# Altium PCB Test.PcbDoc (part 1 of 7) (continued)
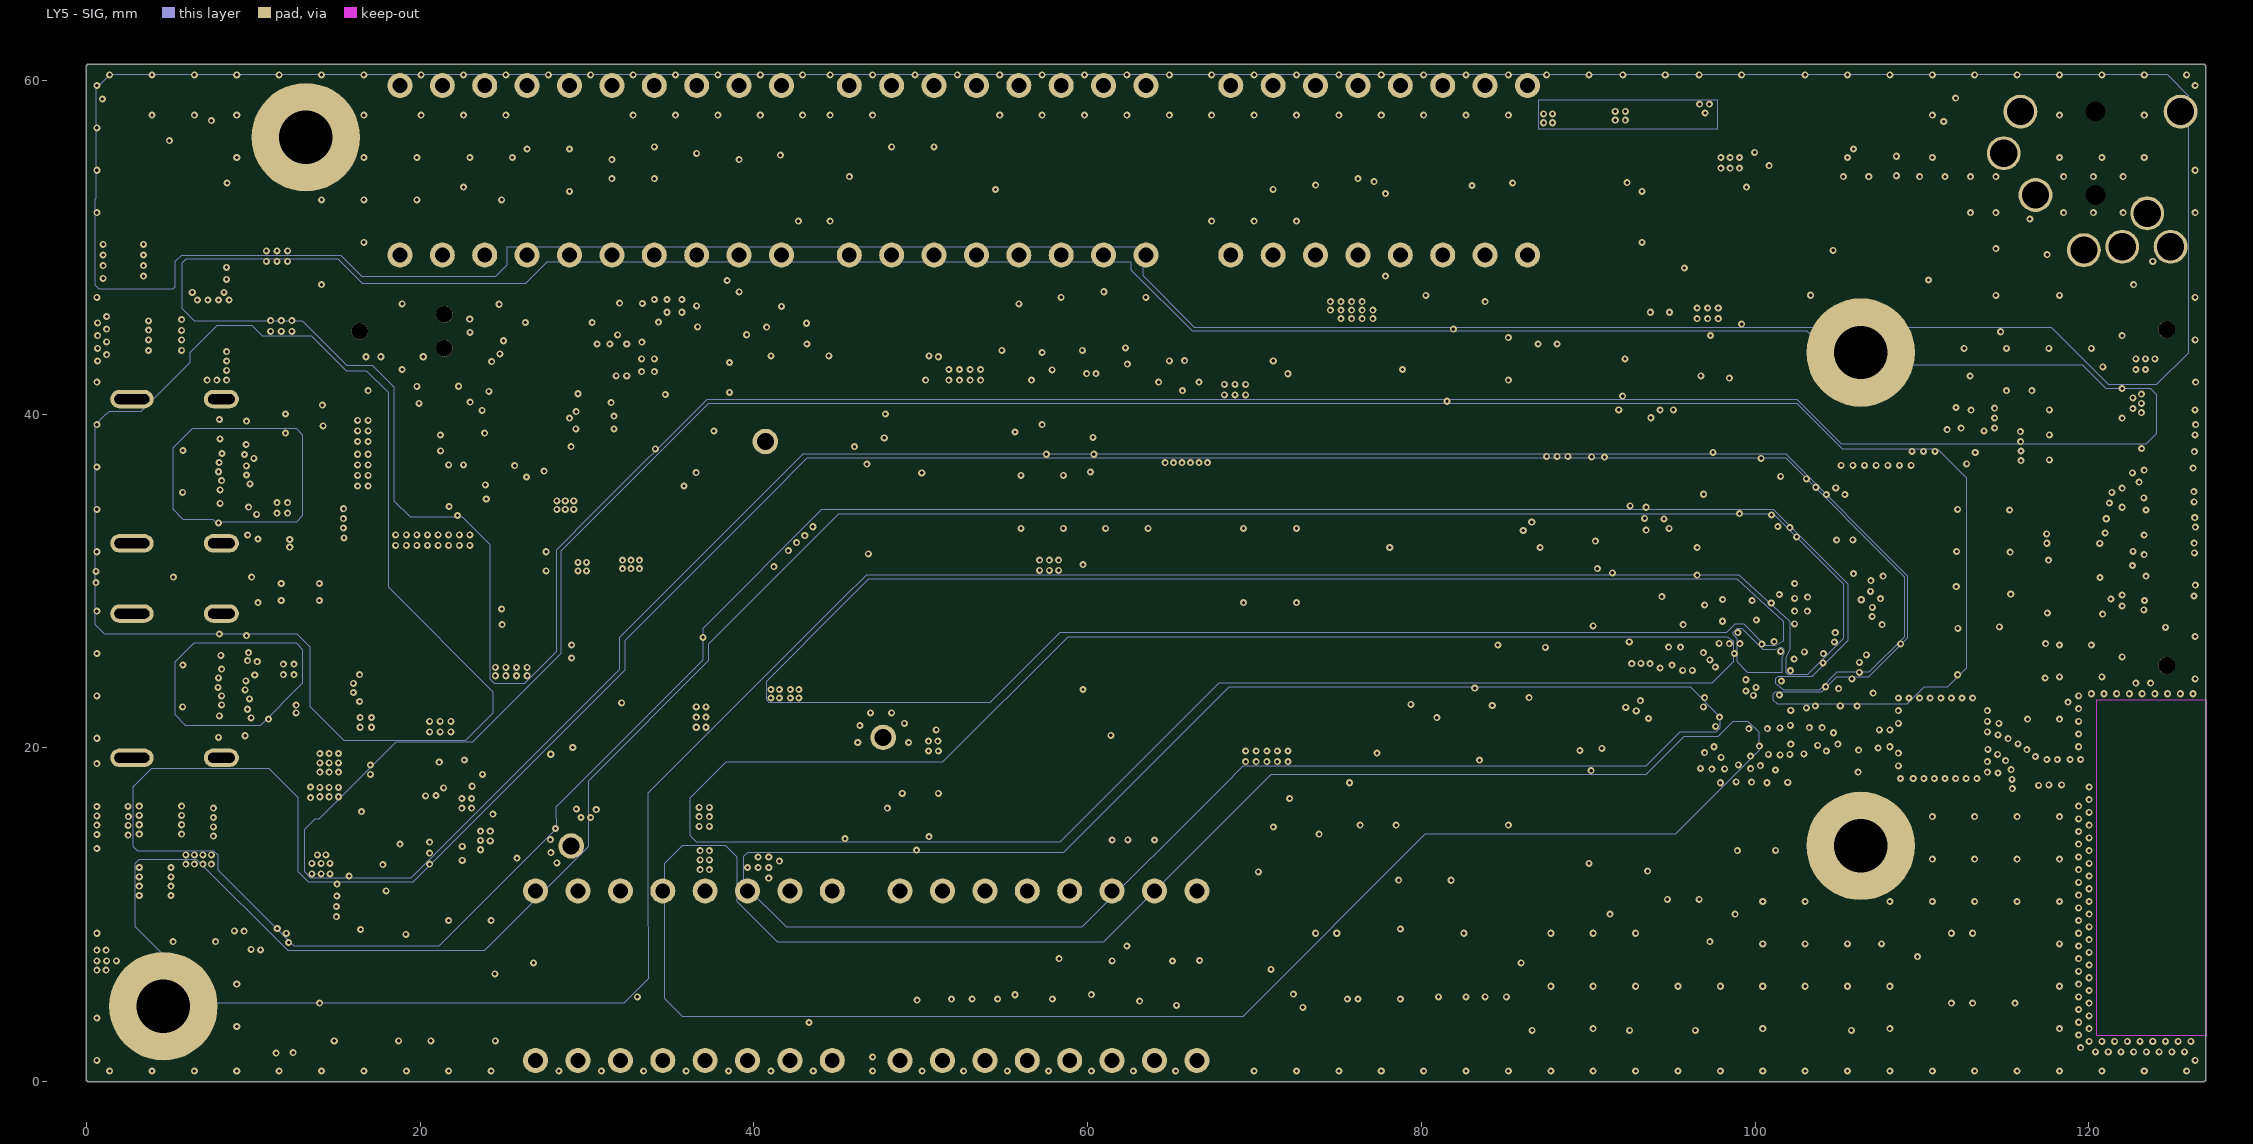
[diagram p5: LY5 - SIG]
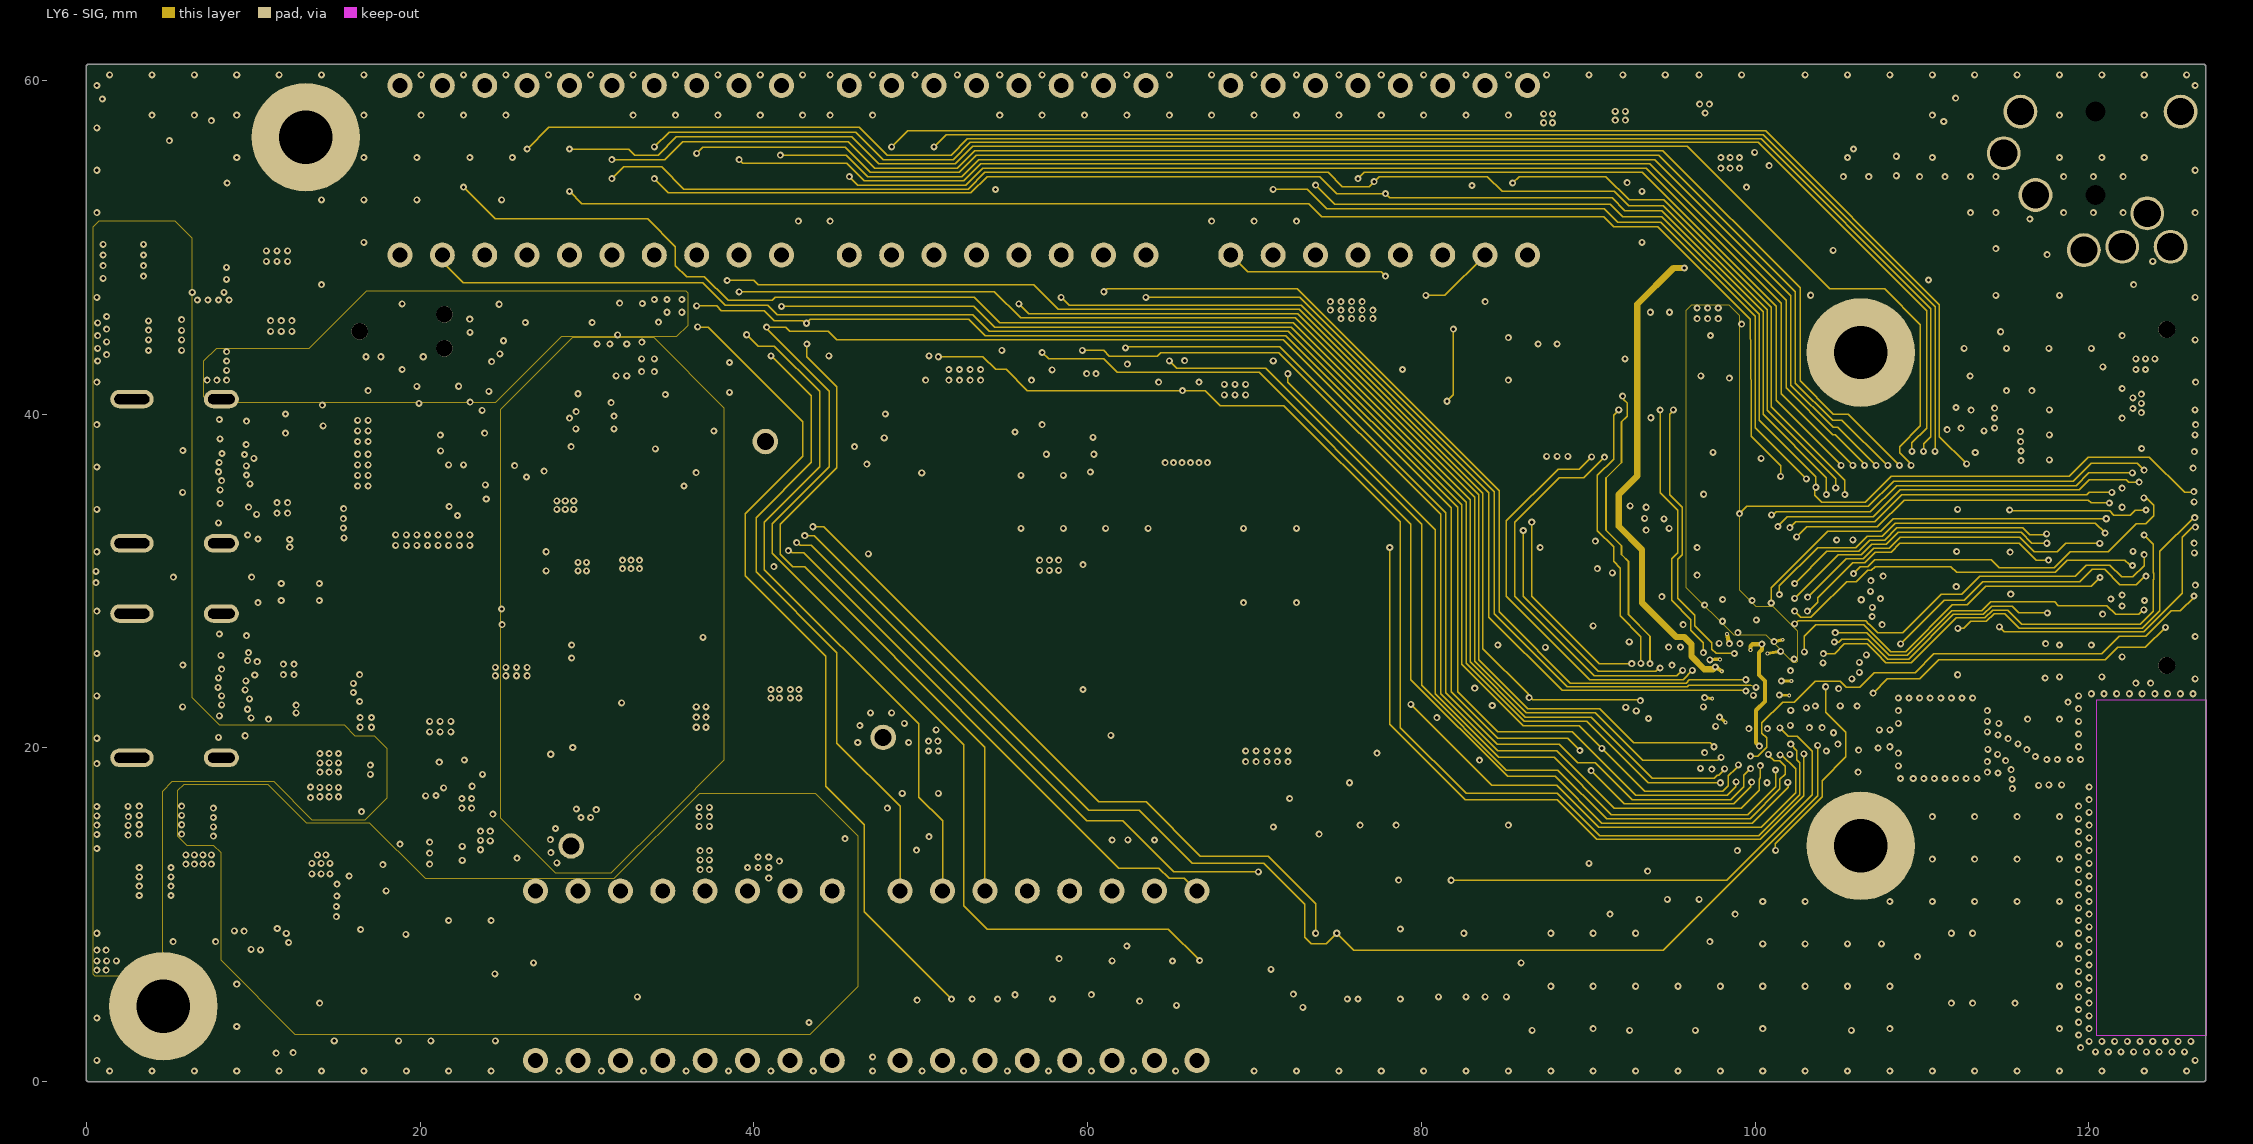
[diagram p6: LY6 - SIG]
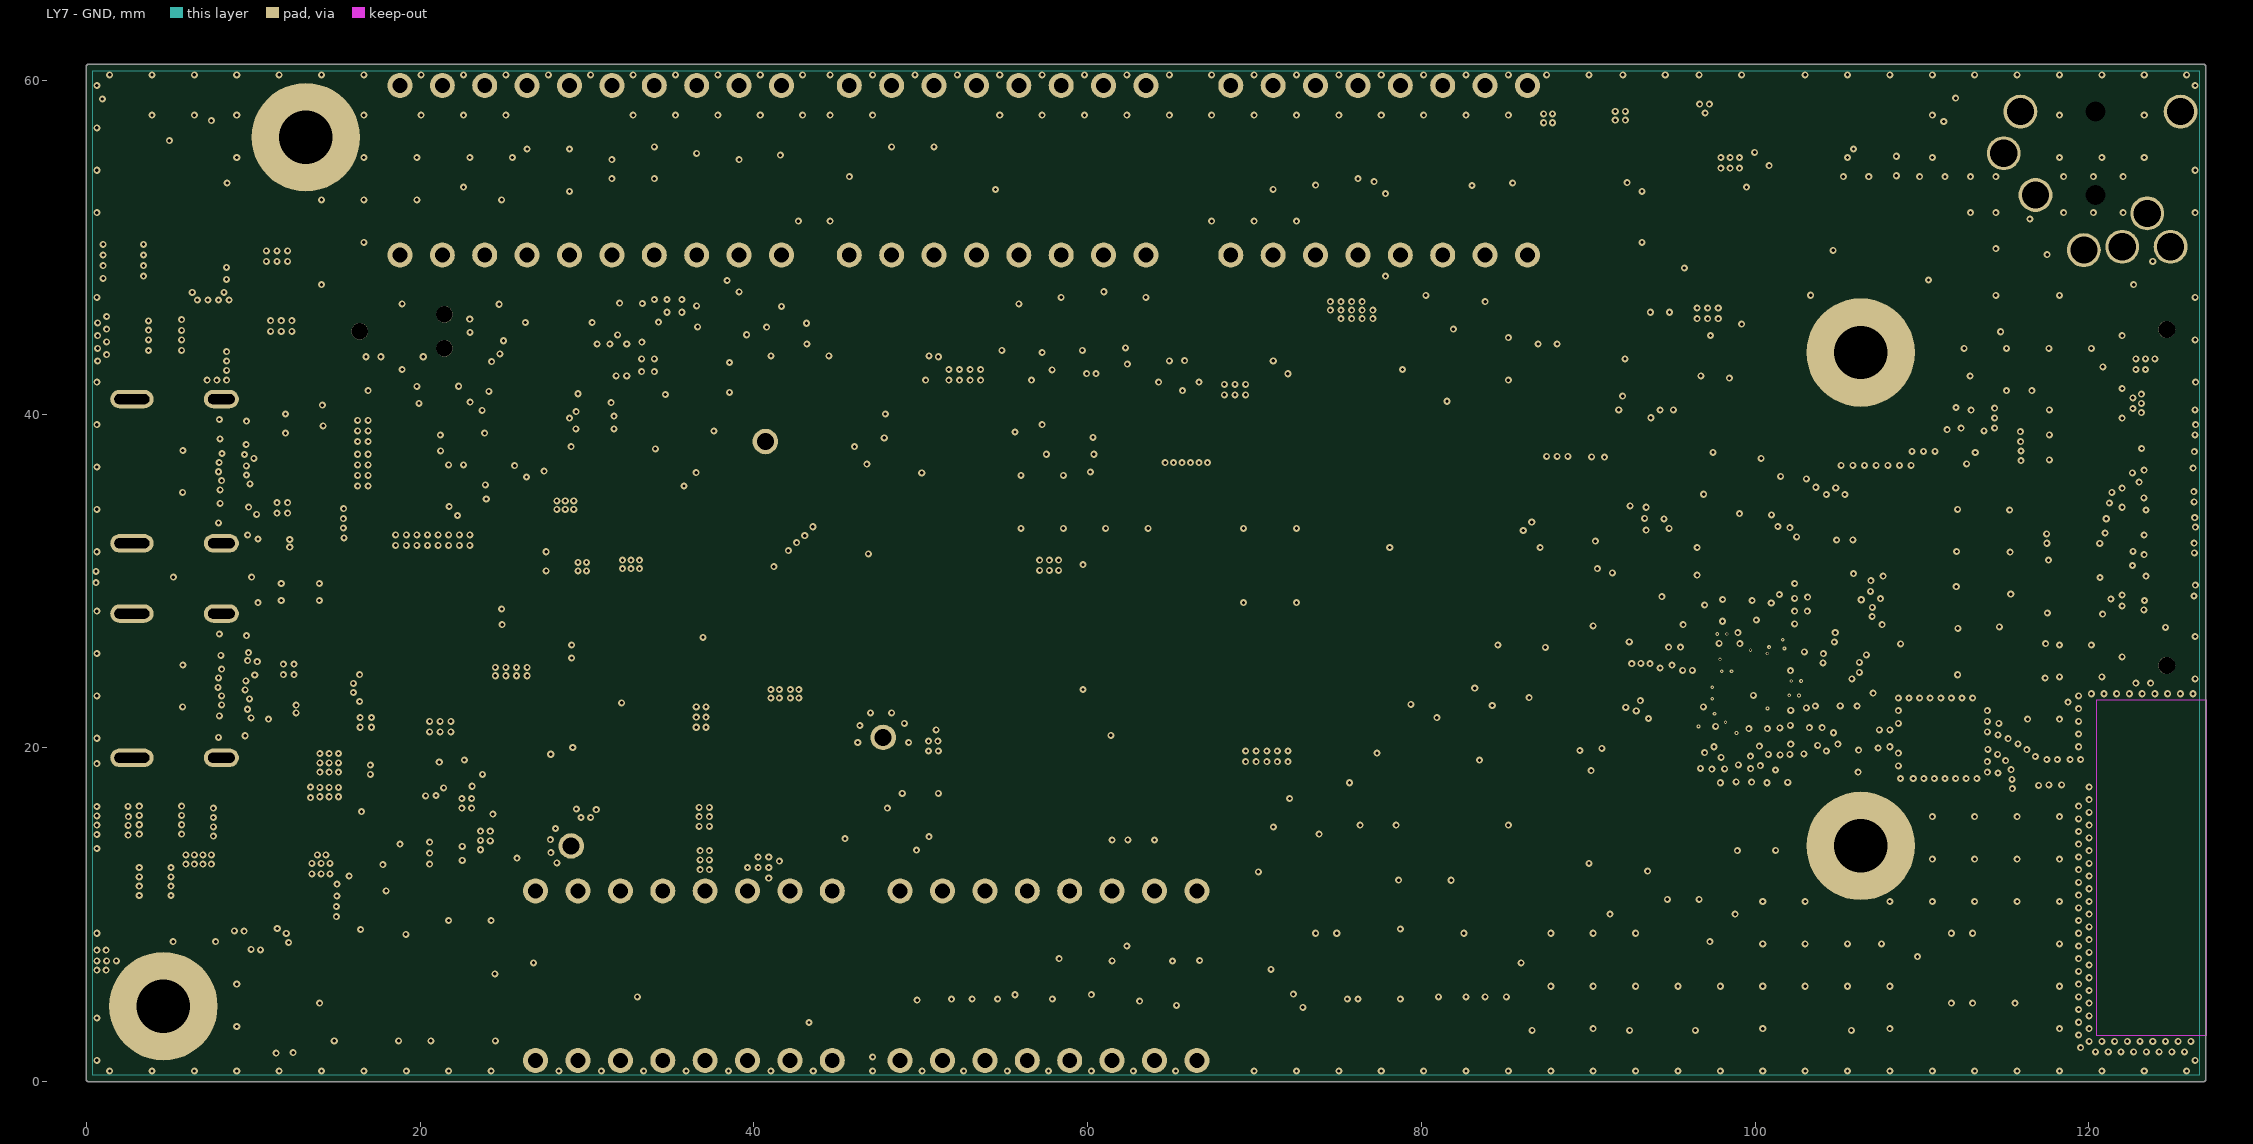
[diagram p7: LY7 - GND]

## Layer stack, top to bottom
Top Solder: solder mask 0.0432, Solder Resist, Dk 3.5
TOP: signal copper 0.0279
Dielectric 1: core 0.0686, FR-4, Dk 4.5
LY2 - GND: signal copper 0.0203
Dielectric2: core 0.094, FR-4, Dk 4.5
LY3 - SIG: signal copper 0.0203
Dielectric3: core 0.094, FR-4, Dk 4.5
LY4 - GND: signal copper 0.0203
Dielectric4: core 0.7671, FR-4, Dk 4.5
LY5 - SIG: signal copper 0.0203
Dielectric5: core 0.094, FR-4, Dk 4.5
LY6 - SIG: signal copper 0.0203
Dielectric6: core 0.094, FR-4, Dk 4.5
LY7 - GND: signal copper 0.0203
Dielectric7: core 0.0686, FR-4, Dk 4.5
BOTTOM: signal copper 0.0279
Bottom Solder: solder mask 0.0432, Solder Resist, Dk 3.5

## Board outline
0,0.127 ccw(c0.127,0.127) 0.127,0 126.873,0 ccw(c126.873,0.127) 127,0.127 127,60.833 ccw(c126.873,60.833) 126.873,60.96 0.127,60.96 ccw(c0.127,60.833) 0,60.833

## Design rules (kind name [scope] priority, off if disabled: settings)
Clearance ANTENNA_CLEARANCE [HasFootprint('MIFA_PCB_ANTENNA')] p1: gap=0.127 ignorepadtopadclearanceinfootprint=FALSE except(0: Arc-Region Track-Region; 0.076: Arc-Fill Arc-Text Track-Text SMDPad-SMDPad SMDPad-THPad SMDPad-Via SMDPad-Text THPad-THPad THPad-Via THPad-Text Via-Text Fill-Text Poly-Text Region-Text Text-Text Text-Hole; 0.203: Arc-THPad Arc-Via Arc-Hole Track-THPad Track-Via Track-Hole SMDPad-Hole THPad-Hole Via-Hole Fill-Hole Poly-Hole Region-Hole)
Clearance SB_SHORT_CLEARANCE [HasFootprint('SB39X18_SHORTED') AND InNetClass('Solderbridges')] p2: gap=0.127 ignorepadtopadclearanceinfootprint=TRUE except(0: Track-SMDPad Track-Fill SMDPad-Via SMDPad-Fill SMDPad-Poly SMDPad-Region Fill-Poly Poly-Poly; 0.076: Arc-Fill Arc-Region Arc-Text Track-Text SMDPad-SMDPad SMDPad-THPad SMDPad-Text THPad-THPad THPad-Via THPad-Text Via-Text Fill-Text Poly-Text Region-Text Text-Text Text-Hole; 0.203: Arc-THPad Arc-Via Arc-Hole Track-THPad Track-Via Track-Hole SMDPad-Hole THPad-Hole Via-Hole Fill-Hole Poly-Hole Region-Hole)
Clearance DIFFPAIR_CLEARANCE [InAnyDifferentialPair] p3: gap=0.127 ignorepadtopadclearanceinfootprint=TRUE except(0.152: Arc-Hole Track-Hole; 0.203: Arc-Poly Track-Poly SMDPad-Poly THPad-Poly Via-Poly Fill-Poly Poly-Poly)
Clearance APOLLOBGA_CLEARANCE [WithinRoom('ApolloBGA')] p4: gap=0.076 ignorepadtopadclearanceinfootprint=FALSE except(0.127: Arc-THPad Arc-Fill Arc-Poly Arc-Region Arc-Hole Track-THPad Track-Fill Track-Poly Track-Region Track-Hole)
Clearance JLINKOB_CLEARANCE [WithinRoom('JLINKOB')] p5: gap=0.102 ignorepadtopadclearanceinfootprint=FALSE except(0.127: Arc-Fill Arc-Poly Arc-Region Arc-Hole Track-Fill Track-Poly Track-Region Track-Hole)
Clearance LY5_PLANE_CLEARANCE [OnLayer('LY5 - SIG')] p6: gap=0.102 ignorepadtopadclearanceinfootprint=FALSE except(0.203: Arc-Poly Track-Poly SMDPad-Poly THPad-Poly Via-Poly Fill-Poly Poly-Poly)
Clearance [All] p7: gap=0.127 ignorepadtopadclearanceinfootprint=FALSE except(0.076: Arc-Fill Arc-Region Arc-Text Track-Text SMDPad-SMDPad SMDPad-THPad SMDPad-Via SMDPad-Text THPad-THPad THPad-Via THPad-Text Via-Text Fill-Text Poly-Text Region-Text Text-Text Text-Hole; 0.203: Arc-THPad Arc-Via Arc-Hole Track-THPad Track-Via Track-Hole SMDPad-Hole THPad-Hole Via-Hole Fill-Hole Poly-Hole Region-Hole)
ComponentClearance [All] p1: gap=0 collisioncheckmode=3 verticalgap=0.254 showdistances=FALSE
DiffPairsRouting "Schematic Differential Pairs Routing_4" [InNetClass('JLINK_USB')] p1: maxlimit=0.178 minlimit=0.127 mostfreqgap=0.152 toplayer_minwidth=0.076 toplayer_maxwidth=0.127 toplayer_prefwidth=0.102 midlayer1_minwidth=0.076 midlayer1_maxwidth=0.127 midlayer1_prefwidth=0.102 midlayer2_minwidth=0.076 midlayer2_maxwidth=0.127 midlayer2_prefwidth=0.102 midlayer3_minwidth=0.076 midlayer3_maxwidth=0.127 midlayer3_prefwidth=0.102 midlayer4_minwidth=0.076 midlayer4_maxwidth=0.127 midlayer4_prefwidth=0.102 midlayer5_minwidth=0.076 midlayer5_maxwidth=0.127 midlayer5_prefwidth=0.102 midlayer6_minwidth=0.076 midlayer6_maxwidth=0.127 midlayer6_prefwidth=0.102 bottomlayer_minwidth=0.076 bottomlayer_maxwidth=0.127 bottomlayer_prefwidth=0.102 maxuncoupledlength=12.7
DiffPairsRouting "Schematic Differential Pairs Routing" [InDifferentialPairClass('AP_USB')] p2: maxlimit=0.178 minlimit=0.127 mostfreqgap=0.152 toplayer_minwidth=0.076 toplayer_maxwidth=0.127 toplayer_prefwidth=0.102 midlayer1_minwidth=0.076 midlayer1_maxwidth=0.127 midlayer1_prefwidth=0.102 midlayer2_minwidth=0.076 midlayer2_maxwidth=0.127 midlayer2_prefwidth=0.102 midlayer3_minwidth=0.076 midlayer3_maxwidth=0.127 midlayer3_prefwidth=0.102 midlayer4_minwidth=0.076 midlayer4_maxwidth=0.127 midlayer4_prefwidth=0.102 midlayer5_minwidth=0.076 midlayer5_maxwidth=0.127 midlayer5_prefwidth=0.102 midlayer6_minwidth=0.076 midlayer6_maxwidth=0.127 midlayer6_prefwidth=0.102 bottomlayer_minwidth=0.076 bottomlayer_maxwidth=0.127 bottomlayer_prefwidth=0.102 maxuncoupledlength=12.7
HoleSize BlindViaHoleSize [InDrillLayerPair('TOP - LY4 - GND') OR InDrillLayerPair('TOP - LY3 - SIG') OR InDrillLayerPair('TOP - LY2 - GND') OR InDrillLayerPair('LY7 - GND - BOTTOM') OR InDrillLayerPair('LY6 - SIG - BOTTOM')] p1: absolutevalues=TRUE maxlimit=2.54 minlimit=0.1 maxpercent=80.000 minpercent=20.000
HoleSize [All] p2: absolutevalues=TRUE maxlimit=3.835 minlimit=0.2 maxpercent=80.000 minpercent=20.000
HoleToHoleClearance HoleToHoleClearance_1 [WithinRoom('ApolloBGA') OR WithinRoom('JLINKOB')] p1: gap=0.102 allowstackedmicrovias=TRUE
HoleToHoleClearance [All] p2: gap=0.254 allowstackedmicrovias=TRUE
MatchedLengths "Schematic Matched Net Lengths_1" [InNetClass('OB Debug')] p1: tolerance=2.54 checknetsindiffpair=FALSE checkdiffpairvsdiffpair=TRUE checkxsignals=TRUE checkothers=TRUE
MatchedLengths "Schematic Matched Net Lengths" [InNetClass('JLINK_USB')] p2: tolerance=2.54 checknetsindiffpair=TRUE checkdiffpairvsdiffpair=FALSE checkxsignals=FALSE checkothers=FALSE
MatchedLengths "Schematic Matched Net Lengths_8" [InDifferentialPairClass('MIPI_CLK')] p3: tolerance=2.54 checknetsindiffpair=FALSE checkdiffpairvsdiffpair=TRUE checkxsignals=TRUE checkothers=TRUE
MatchedLengths "Schematic Matched Net Lengths_5" [InDifferentialPairClass('MIPI_D0')] p4: tolerance=2.54 checknetsindiffpair=FALSE checkdiffpairvsdiffpair=TRUE checkxsignals=TRUE checkothers=TRUE
MatchedLengths "Schematic Matched Net Lengths_3" [InDifferentialPairClass('AP_USB')] p5: tolerance=2.54 checknetsindiffpair=FALSE checkdiffpairvsdiffpair=TRUE checkxsignals=TRUE checkothers=TRUE targetsourcename="Not defined"
MaxMinImpedance "Schematic Impedance Constraint_6" [InNetClass('JLINK_USB')] p1: minimum=85.00 maximum=95.00
MaxMinImpedance "Schematic Impedance Constraint_5" [InDifferentialPairClass('MIPI_D0')] p2: minimum=95.00 maximum=105.0
MaxMinImpedance "Schematic Impedance Constraint_4" [InDifferentialPairClass('MIPI_CLK')] p3: minimum=95.00 maximum=105.0
MaxMinImpedance "Schematic Impedance Constraint_1" [InDifferentialPairClass('AP_USB')] p4: minimum=85.00 maximum=95.00
MinimumSolderMaskSliver APOLLOBGA_MinimumSolderMaskSliver [WithinRoom('ApolloBGA') vs HasFootprint('bga131_0p35_4p7x4p7')] p1: minsoldermaskwidth=0.025
MinimumSolderMaskSliver [All] p2: minsoldermaskwidth=0.025
PlaneConnect [All] p1: planeconnectstyle=Direct reliefexpansion=0.508 reliefentries=4 reliefconductorwidth=0.254 reliefairgap=0.254
PolygonConnect Solderbridge_PolygonConnect [(HasFootprint('sb39x18_shorted') OR HasFootprint('sb39x18')) AND InNetClass('Solderbridges')] p1: connectstyle=Direct reliefconductorwidth=0.254 reliefentries=4 polygonreliefangle="90 Angle" airgapwidth=0.254
PolygonConnect [All] p2: thpad.connectstyle=Relief thpad.reliefconductorwidth=0.254 thpad.reliefentries=4 thpad.polygonreliefangle="90 Angle" thpad.airgapwidth=0.254 smdpad.connectstyle=Relief smdpad.reliefconductorwidth=0.254 smdpad.reliefentries=4 smdpad.polygonreliefangle="90 Angle" smdpad.airgapwidth=0.127 via.connectstyle=Direct via.reliefconductorwidth=0.254 via.reliefentries=4 via.polygonreliefangle="90 Angle" via.airgapwidth=0.254
RoomDefinition ApolloBGA [HasFootprint('bga131_0p35_4p7x4p7')] p1: confinementstyle=ConfineIn formatcopy=TRUE lockcomponents=FALSE outline -732.841,-462.661 -735.381,-465.201 -735.381,-472.567 -732.333,-475.615 -725.348,-475.615 -721.284,-471.551 -721.284,-464.82 -723.443,-462.661
RoomDefinition JLINKOB [HasFootprint('BGA146C35P13X12_390X430X350')] p2: confinementstyle=ConfineIn formatcopy=TRUE lockcomponents=TRUE outline -811.949,-446.037 -812.571,-446.659 -812.571,-461.594 -811.073,-463.093 -801.324,-463.093 -798.317,-460.085 -798.317,-458.826 -794.842,-458.826 -793.648,-457.632 -793.648,-448.361 -796.493,-445.516 -810.565,-445.516 -811.085,-446.037
RoutingVias [All] p1: holewidth=0.102 width=0.203 viastyle="Through Hole" minholewidth=0.076 minwidth=0.152 maxholewidth=0.635 maxwidth=1.27
RoutingVias APOLLOBGA_RoutingVias [WithinRoom('ApolloBGA')] p2: holewidth=0.102 width=0.203 viastyle="Through Hole" minholewidth=0.076 minwidth=0.152 maxholewidth=0.635 maxwidth=1.27
RoutingVias JLINKOB_RoutingVias [WithinRoom('JLINKOB')] p3: holewidth=0.102 width=0.203 viastyle="Through Hole" minholewidth=0.076 minwidth=0.152 maxholewidth=0.635 maxwidth=1.27
ShortCircuit Antenna_ShortCircuit [(InNet('GND') AND InNet('NetA1_1')) vs HasFootprint('PCB_MIFA_ANTENNA')] p1: allowed=TRUE
ShortCircuit Solderbridge_ShortCiruit [HasFootprint('sb39x18_shorted') vs InNetClass('Solderbridges')] p2: allowed=TRUE
SilkToSilkClearance [All] p1: silktosilkclearance=0
SilkToSolderMaskClearance [IsPad] p1: minsilkscreentomaskgap=0 clearancetoexposedcopper=FALSE
SolderMaskExpansion [All] p1: expansion=0.05 istentingtop=FALSE
UnRoutedNet [All] p1: checkbadconnections=TRUE
Width [All] p1: maxlimit=1.27 minlimit=0.076 preferedwidth=0.089 toplayer_prefwidth=0.102 midlayer1_maxwidth=0.508 midlayer2_maxwidth=0.508 midlayer3_maxwidth=0.508 midlayer4_maxwidth=0.508 midlayer5_maxwidth=0.508 midlayer6_maxwidth=0.508 bottomlayer_maxwidth=0.508 bottomlayer_prefwidth=0.102 minimp=50.000000 maximp=50.000000 favimp=50.000000
Width APOLLOBGA_WIDTH [WithinRoom('ApolloBGA')] p2: maxlimit=0.508 minlimit=0.076 preferedwidth=0.089 toplayer_prefwidth=0.102 bottomlayer_prefwidth=0.102 minimp=50.000000 maximp=50.000000 favimp=50.000000
Width JLINKOB_WIDTH [WithinRoom('JLINKOB')] p3: maxlimit=0.508 minlimit=0.076 preferedwidth=0.089 toplayer_prefwidth=0.102 bottomlayer_prefwidth=0.102 minimp=50.000000 maximp=50.000000 favimp=50.000000
20 further rules are at their usual default settings.

## Classes and differential pairs
differential pair class JLINK_USB: AT_USB
net class "OB Debug": SWCLK_OB SWDIO_OB SWO_OB
net class JLINK_USB: AT_USB_N AT_USB_P
component class "P01_Top Level": SS1 SS2 SS3 SS4
differential pair class MIPI_D0: MIPI_D0.MIPI
differential pair class MIPI_CLK: MIPI_CLK.MIPI
differential pair class AP_USB: AP4_USB
component class "U_P08_ Audio Connections": C68 C69 C70 C71 J17 J18 R48 SB49 SB50 SB51 SB52 SB62 SB63 SB64 SB67 SB68 SB69 SB70 SB71 SB72 SB73 SB74
component class "U_P07_ Power Supply Track": C61 C62 C63 C64 C65 C66 C67 D7 Q2 R43 R44 R45 R46 SB47 SB48 U14
component class "U_P06_ GPIO Headers": J7 J8 J9 J10 J11 J12 J14 J15 J19 J20 J21 J22 J23 J24 J25 J26 R32 R33 SB10 SB12 SB30 SB31 SB32 SB33 SB34 SB35 SB36 SB42 SB43 SB44 SB45 SB53 SB54 SB55 SB56 SB58
component class "U_P05_ Debugger": C44 C45 C46 C47 C60 C80 C81 C82 C83 C84 C85 C86 C87 C88 C89 C90 C91 C92 C93 C94 C95 C96 D2 J13 J29 R37 R38 R39 R40 R71 R72 R74 R75 R76 R79 R81 SB40 SB75 SB76 SB77 SB78 SB79 SB80 SB81 SB82 SB83 U18 U22
component class "U_P04_ USB": C36 C37 C38 D8 FB1 FB2 J4 J5 J6 R16 R17 R18 R19 R20 R22 R23 R49 SB17 SH1 SW4 U6 U7
component class "U_P03_ Power Supplies": C28 C29 C30 C31 C32 C33 C34 C35 C39 C40 C41 C43 C72 C73 C74 C75 C76 C77 C78 C79 D3 D4 D5 J2 J3 Q3 Q4 Q5 R2 R9 R10 R11 R12 R13 R14 R15 R34 R35 R36 R51 R52 R53 R54 R56 R57 R62 R63 R64 R65 R66 R67 SB3 SB4 SB5 SB6 SB7 SB8 SB9 SB11 SB13 SB15 SB16 SB37 SB38 SB39 SB59 SB60 SB61 TP2 TP3 TP4 TP5 TP6 TP7 U2 U3 U4 U5 U15 U16
component class "U_P02_ Apollo 4 Blue Plus": A1 C1 C2 C3 C4 C5 C6 C7 C8 C9 C10 C11 C12 C13 C14 C15 C16 C17 C18 C19 C20 C21 C22 C23 C24 C25 C26 C27 C42 D1 J1 L1 L2 L3 L4 R1 R4 R5 R6 R7 SB1 SB2 SW1 SW2 SW3 TP1 TP8 TP9 U1 Y1 Y2
differential pair MIPI_D0.MIPI: +MIPI_D0.MIPI_P -MIPI_D0.MIPI_N
differential pair MIPI_CLK.MIPI: +MIPI_CLK.MIPI_P -MIPI_CLK.MIPI_N
differential pair AT_USB: +AT_USB_P -AT_USB_N
differential pair AP4_USB: +AP4_USB_P -AP4_USB_N
